# KiCad board vme-wren.kicad_pcb (continued)
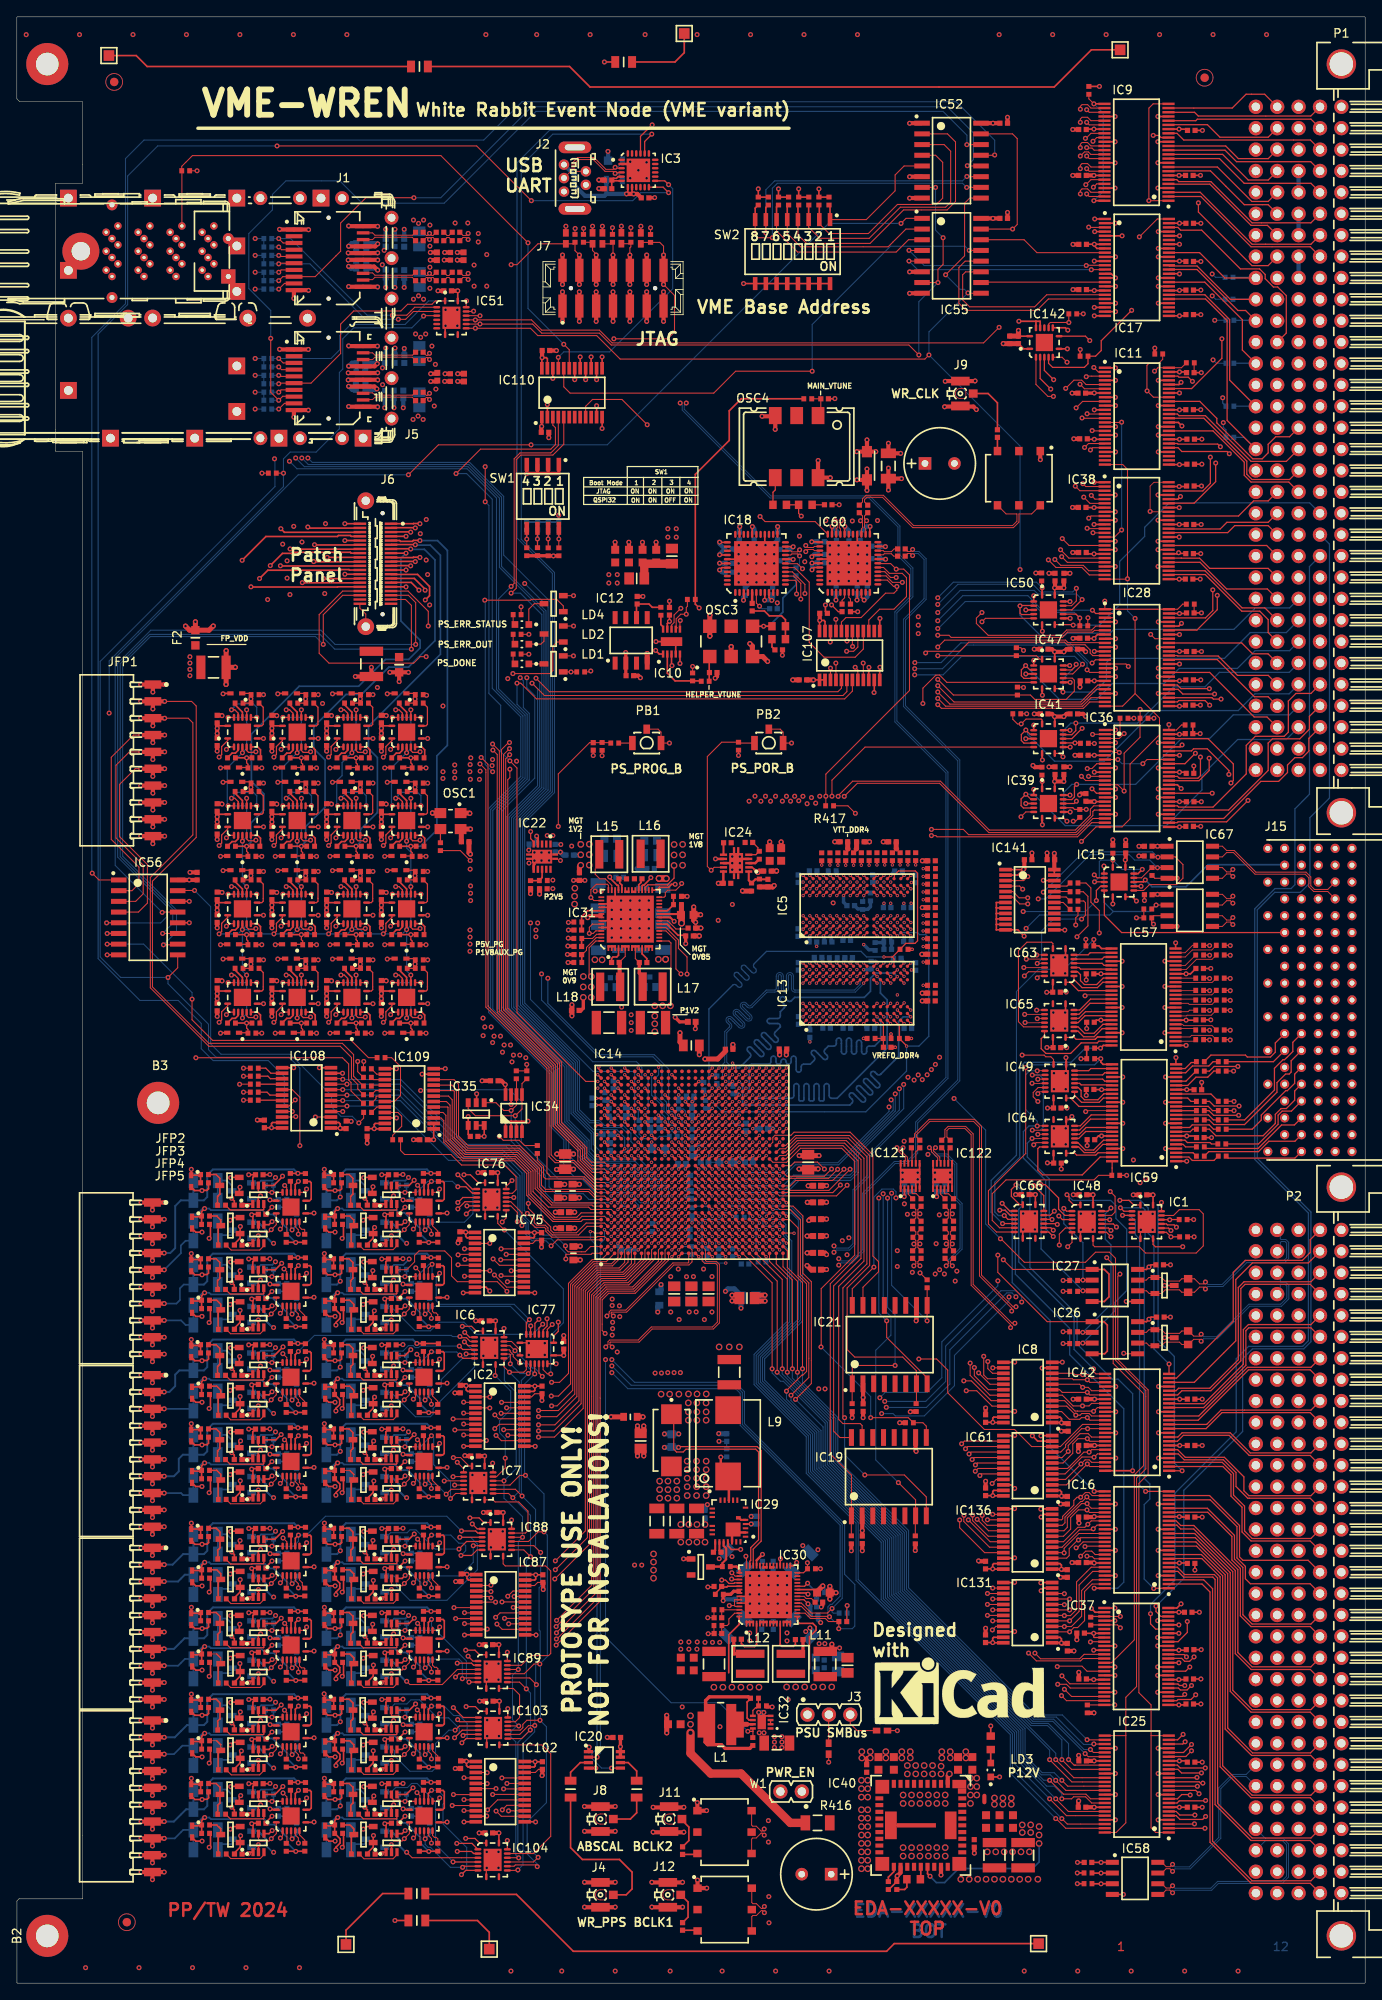
[diagram p0: board, top side]
## Routing (per net, layer and track width the routed paths; a pad name or vN(x,y) marks a point on that pad's centre or on a via; arc(x,y) is an arc through that point) (continued)
/DDR4-PS.DQ5: length 29
  Top Layer w0.15: IC14.AE20 88.98,102.26 ; v1(98.96,119.54) IC13.H8
  L5 w0.11: v1(98.96,119.54) 98.52,119.1 98.01,119.1 97.8,118.89 97.8,118.05 97.38,117.63 95.16,117.63 94.6,117.07 94.6,109.63 arc(94.54,109.48) 94.39,109.42 94.27,109.42 arc(94.13,109.35) 94.06,109.21 arc(94.13,109.06) 94.27,109 94.82,109 arc(94.97,108.93) 95.03,108.79 arc(94.97,108.64) 94.82,108.58 94.81,108.58 arc(94.66,108.51) 94.6,108.37 94.6,108.14 94.27,107.81 arc(94.12,107.75) 93.97,107.81 93.92,107.86 arc(93.78,107.92) 93.63,107.86 arc(93.57,107.71) 93.63,107.56 93.9,107.29 arc(93.93,107.21) 93.9,107.14 93.75,106.99 arc(93.68,106.96) 93.6,106.99 93.33,107.26 arc(93.18,107.33) 93.03,107.26 arc(92.97,107.12) 93.03,106.97 93.08,106.92 arc(93.14,106.77) 93.08,106.62 92.35,105.9 90.52,105.9 90.19,105.57 90.19,105.35 89.92,105.08 89.7,105.08 89.43,104.81 89.43,104.47 89.22,104.26 88.88,104.26 88.63,104.01 88.63,102.62 v1(88.99,102.26)
/DDR4-PS.DQ6: length 29
  Top Layer w0.15: IC14.AH19 91.38,101.46 ; v1(99.76,116.34) IC13.J3
  L5 w0.11: v1(91.39,101.46) 92.19,100.66 96.18,100.66 98.29,102.78 arc(98.34,102.9) 98.29,103.03 arc(98.24,103.15) 98.29,103.28 98.34,103.32 arc(98.46,103.37) 98.59,103.32 98.9,103.02 arc(99.04,102.95) 99.19,103.02 arc(99.25,103.16) 99.19,103.31 98.88,103.62 arc(98.83,103.75) 98.88,103.88 98.93,103.92 arc(99.05,103.97) 99.18,103.92 99.49,103.61 arc(99.64,103.55) 99.79,103.61 arc(99.85,103.76) 99.79,103.91 99.48,104.22 arc(99.43,104.34) 99.48,104.47 99.52,104.51 arc(99.65,104.57) 99.77,104.51 100.08,104.2 arc(100.23,104.14) 100.38,104.2 arc(100.44,104.35) 100.38,104.5 100.07,104.81 arc(100.02,104.93) 100.07,105.06 100.14,105.12 arc(100.26,105.17) 100.39,105.12 arc(100.51,105.07) 100.64,105.12 100.98,105.46 100.98,114.89 100.74,115.12 100.37,115.12 100.15,115.34 100.15,115.95 v1(99.76,116.34)
/DDR4-PS.DQ7: length 28.9
  Top Layer w0.15: IC14.AG19 90.58,101.46 ; v1(99.76,118.74) IC13.J7
  L5 w0.11: v1(90.59,101.46) 91.79,100.26 96.83,100.26 101.42,104.85 101.42,114.84 100.95,115.3 100.95,116.49 99.76,117.68 v1(99.76,118.74)
/DDR4-PS.DQ8: length 29.2
  Top Layer w0.15: IC14.AG24 90.58,105.46 ; v1(93.36,116.34) IC13.A3
  L10 w0.11: v1(93.36,116.34) 93.01,116.69 93.01,117.17 93.38,117.54 93.61,117.54 93.76,117.39 93.76,113.66 95.19,112.23 95.19,112.11 arc(95.25,111.96) 95.4,111.9 95.46,111.9 arc(95.61,111.83) 95.67,111.69 arc(95.61,111.54) 95.46,111.48 94.91,111.48 arc(94.77,111.41) 94.7,111.27 arc(94.77,111.12) 94.91,111.06 95.46,111.06 arc(95.61,110.99) 95.67,110.85 arc(95.61,110.7) 95.46,110.64 94.91,110.64 arc(94.77,110.57) 94.7,110.43 arc(94.77,110.28) 94.91,110.22 95.46,110.22 arc(95.61,110.15) 95.67,110.01 arc(95.61,109.86) 95.46,109.8 94.91,109.8 arc(94.77,109.73) 94.7,109.59 arc(94.77,109.44) 94.91,109.38 95.46,109.38 arc(95.61,109.31) 95.67,109.17 arc(95.61,109.02) 95.46,108.96 94.91,108.96 arc(94.77,108.89) 94.7,108.75 arc(94.77,108.6) 94.91,108.54 95.46,108.54 arc(95.61,108.47) 95.67,108.33 arc(95.61,108.18) 95.46,108.12 94.91,108.12 arc(94.77,108.05) 94.7,107.91 arc(94.77,107.76) 94.91,107.7 95.46,107.7 arc(95.61,107.63) 95.67,107.49 arc(95.61,107.34) 95.46,107.28 94.91,107.28 arc(94.77,107.21) 94.7,107.07 arc(94.77,106.92) 94.91,106.86 94.98,106.86 arc(95.12,106.79) 95.19,106.65 95.19,106.31 93.94,105.06 90.99,105.06 v1(90.59,105.46)
/DDR4-PS.DQ9: length 29.2
  Top Layer w0.15: v1(94.16,119.54) IC13.B8 ; IC14.AE24 88.98,105.46
  L10 w0.11: v1(94.16,119.54) 93.76,119.94 92.35,119.94 90.5,118.09 arc(90.44,117.94) 90.5,117.79 90.61,117.68 arc(90.67,117.53) 90.61,117.38 arc(90.46,117.32) 90.31,117.38 89.8,117.9 arc(89.65,117.96) 89.5,117.9 arc(89.44,117.75) 89.5,117.6 89.61,117.49 arc(89.67,117.35) 89.61,117.2 89.36,116.95 89.36,116.48 arc(89.42,116.33) 89.57,116.27 89.73,116.27 arc(89.87,116.21) 89.94,116.06 arc(89.87,115.91) 89.73,115.85 89.1,115.85 arc(88.95,115.79) 88.89,115.64 arc(88.95,115.49) 89.1,115.43 89.73,115.43 arc(89.87,115.37) 89.94,115.22 arc(89.87,115.07) 89.73,115.01 89.1,115.01 arc(88.95,114.95) 88.89,114.8 arc(88.95,114.65) 89.1,114.59 89.73,114.59 arc(89.87,114.53) 89.94,114.38 arc(89.87,114.23) 89.73,114.17 89.1,114.17 arc(88.95,114.11) 88.89,113.96 arc(88.95,113.81) 89.1,113.75 89.73,113.75 arc(89.87,113.69) 89.94,113.54 arc(89.87,113.39) 89.73,113.33 89.1,113.33 arc(88.95,113.27) 88.89,113.12 arc(88.95,112.97) 89.1,112.91 89.73,112.91 arc(89.87,112.85) 89.94,112.7 arc(89.87,112.55) 89.73,112.49 89.1,112.49 arc(88.95,112.43) 88.89,112.28 arc(88.95,112.13) 89.1,112.07 89.15,112.07 arc(89.3,112.01) 89.36,111.86 89.36,106.12 89.2,105.96 89.2,105.67 v1(88.99,105.46)
/DDR4-PS.DQ10: length 29.2
  Top Layer w0.15: IC14.AF22 89.78,103.86 ; v1(94.96,116.34) IC13.C3
  L10 w0.11: v1(94.96,116.34) 95.36,115.94 97.47,115.94 97.8,115.61 97.8,114.73 97.8,113.46 99.14,112.12 99.14,108.32 arc(99.2,108.19) 99.33,108.14 arc(99.46,108.09) 99.51,107.96 99.51,107.9 arc(99.46,107.77) 99.33,107.72 arc(99.2,107.67) 99.14,107.54 99.14,107.5 arc(99.2,107.37) 99.33,107.32 arc(99.46,107.26) 99.51,107.13 99.51,107.08 arc(99.46,106.95) 99.33,106.9 99.06,106.9 arc(99,106.87) 98.97,106.81 98.97,106.57 arc(99,106.5) 99.06,106.48 99.33,106.48 arc(99.46,106.42) 99.51,106.29 99.51,106.23 arc(99.46,106.1) 99.33,106.04 arc(99.2,105.99) 99.14,105.86 99.14,105.39 98.84,105.08 arc(98.78,104.95) 98.84,104.82 arc(98.89,104.69) 98.84,104.56 98.8,104.52 arc(98.67,104.47) 98.54,104.52 98.08,104.98 arc(97.93,105.05) 97.78,104.98 arc(97.72,104.84) 97.78,104.69 98.24,104.22 arc(98.3,104.09) 98.24,103.96 98.2,103.92 arc(98.06,103.86) 97.93,103.92 arc(97.8,103.97) 97.67,103.92 97.21,103.46 90.19,103.46 v1(89.79,103.86)
/DDR4-PS.DQ11: length 29.7
  Top Layer w0.15: v1(94.96,118.74) IC13.C7 ; IC14.AH23 91.38,104.66
  L10 w0.11: v1(94.96,118.74) 94.96,117.77 94.6,117.4 94.6,113.65 94.75,113.5 arc(94.89,113.45) 95.03,113.5 arc(95.17,113.56) 95.31,113.5 95.33,113.49 arc(95.39,113.35) 95.33,113.2 95.07,112.94 arc(95.02,112.82) 95.07,112.7 95.12,112.65 arc(95.24,112.59) 95.36,112.65 arc(95.49,112.7) 95.61,112.65 96.42,111.83 arc(96.48,111.69) 96.62,111.63 arc(96.76,111.57) 96.82,111.43 96.82,111.41 arc(96.76,111.27) 96.62,111.21 96.22,111.21 arc(96.08,111.15) 96.03,111.01 96.03,110.99 arc(96.08,110.85) 96.22,110.79 96.57,110.79 arc(96.68,110.75) 96.72,110.64 96.72,110.52 arc(96.68,110.41) 96.57,110.37 96.22,110.37 arc(96.08,110.31) 96.03,110.17 96.03,110.15 arc(96.08,110.01) 96.22,109.95 96.62,109.95 arc(96.76,109.89) 96.82,109.75 96.82,109.73 arc(96.76,109.59) 96.62,109.53 96.22,109.53 arc(96.08,109.47) 96.03,109.33 96.03,109.31 arc(96.08,109.17) 96.22,109.11 96.62,109.11 arc(96.76,109.05) 96.82,108.91 96.82,108.89 arc(96.76,108.75) 96.62,108.69 96.22,108.69 arc(96.08,108.63) 96.03,108.49 96.03,108.47 arc(96.08,108.33) 96.22,108.27 96.62,108.27 arc(96.76,108.21) 96.82,108.07 96.82,108.05 arc(96.76,107.91) 96.62,107.85 96.22,107.85 arc(96.08,107.79) 96.03,107.65 96.03,107.63 arc(96.08,107.49) 96.22,107.43 arc(96.36,107.37) 96.42,107.23 96.42,106.67 arc(96.36,106.53) 96.42,106.39 arc(96.48,106.25) 96.42,106.11 96.4,106.09 arc(96.26,106.03) 96.12,106.09 95.84,106.37 arc(95.7,106.43) 95.56,106.37 95.55,106.35 arc(95.49,106.21) 95.55,106.07 95.83,105.79 arc(95.89,105.65) 95.83,105.51 95.81,105.49 arc(95.67,105.44) 95.53,105.49 95.27,105.76 arc(95.14,105.81) 95.02,105.76 94.97,105.7 arc(94.92,105.58) 94.97,105.46 95.23,105.2 arc(95.29,105.06) 95.23,104.92 95.22,104.9 arc(95.08,104.84) 94.94,104.9 arc(94.8,104.96) 94.66,104.9 94.42,104.66 v1(91.39,104.66)
/DDR4-PS.DQ12: length 29.2
  Top Layer w0.15: IC14.AH22 91.38,103.86 ; v1(94.96,114.74) IC13.C2
  L10 w0.11: v1(91.39,103.86) 96.32,103.86 97.36,104.89 arc(97.37,104.94) 97.36,104.98 arc(97.34,105.02) 97.36,105.07 97.57,105.28 arc(97.61,105.29) 97.65,105.28 arc(97.7,105.26) 97.74,105.28 98.38,105.92 arc(98.32,106.07) 98.17,106.13 97.84,106.13 arc(97.69,106.19) 97.63,106.34 arc(97.69,106.49) 97.84,106.55 98.53,106.55 arc(98.63,106.59) 98.67,106.69 98.67,106.82 arc(98.63,106.93) 98.53,106.97 97.89,106.97 arc(97.74,107.03) 97.68,107.18 arc(97.74,107.33) 97.89,107.39 98.63,107.39 arc(98.77,107.45) 98.84,107.6 arc(98.77,107.75) 98.63,107.81 98.33,107.81 arc(98.29,107.82) 98.27,107.86 98.27,108.17 arc(98.29,108.21) 98.33,108.23 98.62,108.23 arc(98.77,108.29) 98.83,108.44 arc(98.77,108.59) 98.62,108.65 98.31,108.65 arc(98.26,108.67) 98.24,108.72 98.24,109 arc(98.26,109.05) 98.31,109.07 98.67,109.07 arc(98.82,109.13) 98.88,109.28 arc(98.82,109.43) 98.67,109.49 98.33,109.49 arc(98.29,109.5) 98.27,109.54 98.27,109.85 arc(98.29,109.89) 98.33,109.91 98.67,109.91 arc(98.82,109.97) 98.88,110.12 arc(98.82,110.27) 98.67,110.33 98.59,110.33 arc(98.44,110.39) 98.38,110.54 arc(98.44,110.69) 98.59,110.75 98.67,110.75 arc(98.82,110.81) 98.88,110.96 arc(98.82,111.11) 98.67,111.17 97.89,111.17 arc(97.74,111.23) 97.68,111.38 arc(97.74,111.53) 97.89,111.59 98.17,111.59 arc(98.32,111.65) 98.38,111.8 98.38,111.88 96.95,113.31 96.95,114.86 96.71,115.1 95.32,115.1 v1(94.96,114.74)
/DDR4-PS.DQ13: length 29.2
  Top Layer w0.15: v1(94.96,119.54) IC13.C8 ; IC14.AH24 91.38,105.46
  L10 w0.11: v1(94.96,119.54) 94.6,119.17 94.6,118.45 94.04,117.9 93.14,117.9 92.65,117.4 92.65,113.88 93.76,112.77 93.76,112.42 arc(93.7,112.27) 93.55,112.21 93.37,112.21 arc(93.22,112.14) 93.16,112 arc(93.22,111.85) 93.37,111.79 93.55,111.79 arc(93.7,111.72) 93.76,111.58 arc(93.7,111.43) 93.55,111.37 93.37,111.37 arc(93.22,111.3) 93.16,111.16 arc(93.22,111.01) 93.37,110.95 94.15,110.95 arc(94.29,110.88) 94.36,110.74 arc(94.29,110.59) 94.15,110.53 93.37,110.53 arc(93.22,110.46) 93.16,110.32 arc(93.22,110.17) 93.37,110.11 94.15,110.11 arc(94.29,110.04) 94.36,109.9 arc(94.29,109.75) 94.15,109.69 93.37,109.69 arc(93.22,109.62) 93.16,109.48 arc(93.22,109.33) 93.37,109.27 94.15,109.27 arc(94.29,109.2) 94.36,109.06 arc(94.29,108.91) 94.15,108.85 93.37,108.85 arc(93.22,108.78) 93.16,108.64 arc(93.22,108.49) 93.37,108.43 94.15,108.43 arc(94.29,108.36) 94.36,108.22 arc(94.29,108.07) 94.15,108.01 93.37,108.01 arc(93.22,107.94) 93.16,107.8 arc(93.22,107.65) 93.37,107.59 93.55,107.59 arc(93.7,107.52) 93.76,107.38 93.76,105.6 93.62,105.46 v1(91.39,105.46)
/DDR4-PS.DQ14: length 28.7
  Top Layer w0.15: IC14.AE22 88.98,103.86 ; v1(95.76,116.34) IC13.D3
  L10 w0.11: v1(95.76,116.34) 96.23,116.81 98.2,116.81 98.52,116.49 98.52,113.54 99.76,112.31 99.76,105.08 97.75,103.06 92.55,103.06 92.19,102.7 89.64,102.7 89.43,102.91 89.43,103.42 v1(88.99,103.86)
/DDR4-PS.DQ15: length 29.2
  Top Layer w0.15: IC14.AD22 88.18,103.86 ; v1(95.76,118.74) IC13.D7
  L10 w0.11: v1(88.19,103.86) 88.59,104.26 88.59,109.24 arc(88.53,109.38) 88.38,109.45 88.22,109.45 arc(88.07,109.51) 88.01,109.66 arc(88.07,109.8) 88.22,109.87 88.91,109.87 arc(89.06,109.93) 89.12,110.08 arc(89.06,110.22) 88.91,110.29 88.27,110.29 arc(88.12,110.35) 88.06,110.5 arc(88.12,110.64) 88.27,110.71 88.86,110.71 arc(89.01,110.77) 89.07,110.92 arc(89.01,111.06) 88.86,111.13 88.27,111.13 arc(88.12,111.19) 88.06,111.34 arc(88.12,111.48) 88.27,111.55 88.38,111.55 arc(88.53,111.61) 88.59,111.76 88.59,117.33 92,120.73 95.19,120.73 95.38,120.54 95.38,119.12 v1(95.76,118.74)
/DDR4-PS.DQ16: length 37.5
  Top Layer w0.15: v1(98.18,125.14) IC5.G2 ; IC14.AH26 91.38,107.06
  L8 w0.11: v1(91.39,107.06) 93.21,107.06 94.9,108.75 94.9,111.86 94.47,112.29 93.66,112.29 92.11,113.84 92.11,116.37 arc(92.04,116.51) 91.9,116.58 91.65,116.58 arc(91.51,116.64) 91.44,116.79 arc(91.51,116.93) 91.65,117 92.76,117 arc(92.9,117.06) 92.97,117.21 arc(92.9,117.35) 92.76,117.42 91.65,117.42 arc(91.51,117.48) 91.44,117.63 arc(91.51,117.77) 91.65,117.84 92.76,117.84 arc(92.9,117.9) 92.97,118.05 arc(92.9,118.19) 92.76,118.26 91.65,118.26 arc(91.51,118.32) 91.44,118.47 arc(91.51,118.61) 91.65,118.68 91.9,118.68 arc(92.04,118.74) 92.11,118.89 92.11,126.01 92.45,126.36 96.75,126.36 96.99,126.11 96.99,125.69 97.14,125.54 97.78,125.54 v1(98.18,125.14)
/DDR4-PS.DQ17: length 37.5
  Top Layer w0.15: IC14.AD24 88.18,105.46 ; v1(97.38,129.14) IC5.F7
  L8 w0.11: v1(88.19,105.46) 88.59,105.86 88.59,114.26 arc(88.53,114.4) 88.38,114.47 88.31,114.47 arc(88.16,114.53) 88.1,114.68 arc(88.16,114.82) 88.31,114.89 88.92,114.89 arc(89.07,114.95) 89.13,115.1 arc(89.07,115.24) 88.92,115.31 88.31,115.31 arc(88.16,115.37) 88.1,115.52 arc(88.16,115.66) 88.31,115.73 88.92,115.73 arc(89.07,115.79) 89.13,115.94 arc(89.07,116.08) 88.92,116.15 88.31,116.15 arc(88.16,116.21) 88.1,116.36 arc(88.16,116.5) 88.31,116.57 88.92,116.57 arc(89.07,116.63) 89.13,116.78 arc(89.07,116.92) 88.92,116.99 88.8,116.99 arc(88.65,117.05) 88.59,117.2 88.59,126.53 91.62,129.56 96.96,129.56 v1(97.38,129.14)
/DDR4-PS.DQ18: length 37.5
  Top Layer w0.15: v1(98.98,126.74) IC5.H3 ; IC14.AG26 90.58,107.06
  L8 w0.11: v1(90.59,107.06) 90.95,106.7 93.92,106.7 95.76,108.55 95.76,112.49 95.34,112.91 94.96,112.91 94.6,113.27 94.6,116.89 arc(94.54,117.04) 94.39,117.1 94.16,117.1 arc(94.01,117.16) 93.95,117.31 arc(94.01,117.46) 94.16,117.52 95.04,117.52 arc(95.19,117.58) 95.25,117.73 arc(95.19,117.88) 95.04,117.94 94.16,117.94 arc(94.01,118) 93.95,118.15 arc(94.01,118.3) 94.16,118.36 94.39,118.36 arc(94.54,118.42) 94.6,118.57 94.6,118.88 arc(94.58,118.92) 94.54,118.94 arc(94.51,118.95) 94.49,118.99 94.49,119.3 arc(94.51,119.34) 94.54,119.36 arc(94.58,119.37) 94.6,119.41 94.6,121.29 arc(94.54,121.44) 94.39,121.5 94.15,121.5 arc(94,121.56) 93.94,121.71 arc(94,121.86) 94.15,121.92 95.05,121.92 arc(95.19,121.98) 95.26,122.13 arc(95.19,122.28) 95.05,122.34 94.15,122.34 arc(94,122.4) 93.94,122.55 arc(94,122.7) 94.15,122.76 94.39,122.76 arc(94.54,122.82) 94.6,122.97 arc(94.54,123.12) 94.39,123.18 94.15,123.18 arc(94,123.24) 93.94,123.39 arc(94,123.54) 94.15,123.6 94.39,123.6 arc(94.54,123.66) 94.6,123.81 94.6,124.6 94.75,124.74 98.39,124.74 98.57,124.93 98.57,126.33 v1(98.98,126.74)
/DDR4-PS.DQ19: length 37.5
  Top Layer w0.15: v1(98.98,129.14) IC5.H7 ; IC14.AC26 87.38,107.06
  L8 w0.11: v1(98.98,129.14) 99.37,129.53 99.37,130.9 99.18,131.1 91.38,131.1 86.99,126.71 86.99,111.97 arc(86.94,111.85) 86.82,111.8 arc(86.71,111.75) 86.66,111.64 86.66,111.55 arc(86.71,111.43) 86.82,111.38 arc(86.94,111.33) 86.99,111.22 86.99,107.46 v1(87.39,107.06)
/DDR4-PS.DQ20: length 37.5
  Top Layer w0.15: IC14.AH25 91.38,106.26 ; v1(98.98,125.14) IC5.H2
  L8 w0.11: v1(91.39,106.26) 94.5,106.26 96.94,108.7 96.94,109.14 arc(97,109.29) 97.15,109.35 97.31,109.35 arc(97.46,109.41) 97.52,109.56 arc(97.46,109.71) 97.31,109.77 96.22,109.77 arc(96.07,109.83) 96.01,109.98 arc(96.07,110.13) 96.22,110.19 97.31,110.19 arc(97.46,110.25) 97.52,110.4 arc(97.46,110.55) 97.31,110.61 96.22,110.61 arc(96.07,110.67) 96.01,110.82 arc(96.07,110.97) 96.22,111.03 97.13,111.03 arc(97.26,111.08) 97.31,111.22 97.31,111.27 arc(97.26,111.4) 97.13,111.45 96.22,111.45 arc(96.07,111.51) 96.01,111.66 arc(96.07,111.81) 96.22,111.87 96.73,111.87 arc(96.88,111.93) 96.94,112.08 arc(96.97,112.14) 97.02,112.16 arc(97.08,112.19) 97.11,112.25 97.11,112.52 arc(97.08,112.58) 97.02,112.6 96.17,112.6 arc(96.02,112.66) 95.96,112.81 arc(96.02,112.96) 96.17,113.02 97.05,113.02 arc(97.13,113.05) 97.16,113.13 97.16,113.33 arc(97.13,113.41) 97.05,113.44 arc(96.97,113.47) 96.94,113.55 96.94,116.56 arc(97,116.7) 97.15,116.77 97.31,116.77 arc(97.46,116.83) 97.52,116.98 arc(97.46,117.12) 97.31,117.19 96.17,117.19 arc(96.02,117.25) 95.96,117.4 arc(96.02,117.54) 96.17,117.61 96.73,117.61 arc(96.88,117.67) 96.94,117.82 96.94,121.72 99.37,124.15 99.37,124.74 v1(98.98,125.14)
/DDR4-PS.DQ21: length 37.5
  Top Layer w0.15: v1(98.98,129.94) IC5.H8 ; IC14.AD26 88.18,107.06
  L8 w0.11: v1(98.98,129.94) 98.57,130.34 91.37,130.34 87.83,126.8 87.83,112.77 arc(87.78,112.65) 87.66,112.6 arc(87.53,112.55) 87.48,112.42 87.48,112.35 arc(87.53,112.23) 87.66,112.18 88.01,112.18 arc(88.13,112.12) 88.18,112 88.18,111.93 arc(88.13,111.81) 88.01,111.76 87.65,111.76 arc(87.53,111.7) 87.48,111.58 87.48,111.51 arc(87.53,111.39) 87.65,111.34 88.01,111.34 arc(88.13,111.28) 88.18,111.16 88.18,111.09 arc(88.13,110.97) 88.01,110.92 87.65,110.92 arc(87.53,110.86) 87.48,110.74 87.48,110.67 arc(87.53,110.55) 87.65,110.5 88.01,110.5 arc(88.13,110.44) 88.18,110.32 88.18,110.25 arc(88.13,110.13) 88.01,110.08 87.66,110.08 arc(87.53,110.03) 87.48,109.9 87.48,109.8 arc(87.53,109.68) 87.66,109.63 arc(87.78,109.58) 87.83,109.46 87.83,108.81 87.83,108.81 87.83,107.42 v1(88.19,107.06)
/DDR4-PS.DQ22: length 37.5
  Top Layer w0.15: IC14.AG25 90.58,106.26 ; v1(99.78,126.74) IC5.J3
  L8 w0.11: v1(90.59,106.26) 90.99,105.86 95.68,105.86 97.78,107.96 97.78,109.79 arc(97.84,109.93) 97.99,110 98.47,110 arc(98.62,110.06) 98.68,110.21 arc(98.62,110.35) 98.47,110.42 97.99,110.42 arc(97.84,110.48) 97.78,110.63 97.78,110.82 arc(97.76,110.87) 97.7,110.9 arc(97.65,110.92) 97.62,110.97 97.62,111.24 arc(97.65,111.29) 97.7,111.32 98.47,111.32 arc(98.62,111.38) 98.68,111.53 arc(98.62,111.67) 98.47,111.74 97.49,111.74 arc(97.34,111.8) 97.28,111.95 arc(97.34,112.09) 97.49,112.16 98.47,112.16 arc(98.62,112.22) 98.68,112.37 arc(98.62,112.51) 98.47,112.58 97.49,112.58 arc(97.34,112.64) 97.28,112.79 arc(97.34,112.93) 97.49,113 98.47,113 arc(98.62,113.06) 98.68,113.21 arc(98.62,113.35) 98.47,113.42 97.99,113.42 arc(97.84,113.48) 97.78,113.63 97.78,121.66 98.96,122.84 99.24,122.84 100.16,123.75 100.16,126.36 v1(99.78,126.74)
/DDR4-PS.DQ23: length 37.5
  Top Layer w0.15: IC14.AD25 88.18,106.26 ; v1(99.78,129.14) IC5.J7
  L8 w0.11: v1(88.19,106.26) 87.83,105.9 87.83,105.31 88.04,105.1 96.11,105.1 99.55,108.54 99.55,109.31 arc(99.59,109.39) 99.68,109.43 arc(99.77,109.47) 99.8,109.56 99.8,109.73 arc(99.77,109.81) 99.68,109.85 arc(99.59,109.89) 99.55,109.98 99.55,112.53 100.16,113.14 100.16,117.47 101.09,118.39 101.09,127.83 v1(99.78,129.14)
/DDR4-PS.DQ24: length 30.9
  Top Layer w0.115: IC14.AD28 88.18,108.66
  Top Layer w0.15: v1(93.38,126.74) IC5.A3
  L5 w0.11: v1(88.19,108.66) 88.19,119.24 arc(88.25,119.39) 88.4,119.45 88.68,119.45 arc(88.83,119.51) 88.89,119.66 arc(88.83,119.81) 88.68,119.87 88.4,119.87 arc(88.25,119.93) 88.19,120.08 88.19,120.3 arc(88.22,120.37) 88.29,120.4 arc(88.36,120.43) 88.39,120.5 88.39,120.72 arc(88.36,120.79) 88.29,120.82 arc(88.22,120.85) 88.19,120.92 88.19,121.14 arc(88.22,121.21) 88.29,121.24 arc(88.36,121.27) 88.39,121.34 88.39,121.56 arc(88.36,121.63) 88.29,121.66 arc(88.22,121.69) 88.19,121.76 88.19,121.98 arc(88.22,122.05) 88.29,122.08 arc(88.36,122.11) 88.39,122.18 88.39,122.4 arc(88.36,122.47) 88.29,122.5 arc(88.22,122.53) 88.19,122.6 88.19,122.82 arc(88.22,122.89) 88.29,122.92 arc(88.36,122.95) 88.39,123.02 88.39,123.24 arc(88.36,123.31) 88.29,123.34 arc(88.22,123.37) 88.19,123.44 88.19,123.91 88.35,124.07 arc(88.5,124.14) 88.65,124.07 88.88,123.84 arc(89.03,123.78) 89.18,123.84 arc(89.24,123.99) 89.18,124.14 88.95,124.37 arc(88.89,124.52) 88.95,124.67 arc(89.1,124.73) 89.24,124.67 89.48,124.43 arc(89.63,124.37) 89.78,124.43 arc(89.84,124.58) 89.78,124.73 89.25,125.25 arc(89.19,125.4) 89.25,125.54 89.27,125.55 arc(89.41,125.61) 89.55,125.55 90.07,125.03 arc(90.22,124.97) 90.37,125.03 arc(90.43,125.18) 90.37,125.33 89.85,125.85 arc(89.79,125.99) 89.85,126.13 89.86,126.15 arc(90,126.2) 90.14,126.15 90.67,125.62 arc(90.81,125.56) 90.96,125.62 arc(91.02,125.77) 90.96,125.92 90.73,126.15 arc(90.67,126.3) 90.73,126.45 91.02,126.74 v1(93.38,126.74)
/DDR4-PS.DQ25: length 32.7
  Top Layer w0.15: IC14.AC28 87.38,108.66 ; v1(94.18,129.94) IC5.B8
  L5 w0.11: v1(87.39,108.66) 87.39,108.69 87.2,108.87 87.2,124.64 90.14,127.57 93.91,127.57 94.6,128.26 94.6,131.9 94.45,132.05 94,132.05 93.82,131.86 93.82,130.59 94.03,130.37 94.13,130.28 94.13,129.99 v1(94.18,129.94)
/DDR4-PS.DQ26: length 32.7
  Top Layer w0.15: v1(94.98,126.74) IC5.C3 ; IC14.AD27 88.18,107.86
  L5 w0.11: v1(94.98,126.74) 94.97,126.72 94.6,126.72 94.54,126.67 94.54,126.59 94.29,126.34 91.98,126.34 89.14,123.5 89.14,119.47 arc(89.19,119.34) 89.31,119.29 arc(89.43,119.24) 89.48,119.12 89.48,119.02 arc(89.43,118.9) 89.31,118.85 88.69,118.85 arc(88.54,118.78) 88.48,118.64 arc(88.54,118.49) 88.69,118.43 89.32,118.43 arc(89.44,118.37) 89.49,118.25 89.49,118.18 arc(89.44,118.06) 89.32,118.01 88.69,118.01 arc(88.54,117.94) 88.48,117.8 arc(88.54,117.65) 88.69,117.59 89.32,117.59 arc(89.44,117.53) 89.49,117.41 89.49,117.34 arc(89.44,117.22) 89.32,117.17 88.69,117.17 arc(88.54,117.1) 88.48,116.96 arc(88.54,116.81) 88.69,116.75 89.32,116.75 arc(89.44,116.69) 89.49,116.57 89.49,116.5 arc(89.44,116.38) 89.32,116.33 88.69,116.33 arc(88.54,116.26) 88.48,116.12 arc(88.54,115.97) 88.69,115.91 89.32,115.91 arc(89.44,115.85) 89.49,115.73 89.49,115.66 arc(89.44,115.54) 89.32,115.49 88.69,115.49 arc(88.54,115.42) 88.48,115.28 arc(88.54,115.13) 88.69,115.07 88.93,115.07 arc(89.08,115) 89.14,114.86 89.14,109.94 88.59,109.39 88.59,108.26 v1(88.19,107.86)
/DDR4-PS.DQ27: length 33.5
  Top Layer w0.115: IC14.AC27 87.38,107.86
  Top Layer w0.15: v1(94.98,129.14) IC5.C7
  L5 w0.11: v1(94.98,129.14) 94.98,127.78 94.43,127.23 93.32,127.23 arc(93.27,127.21) 93.25,127.16 arc(93.22,127.11) 93.17,127.08 92.9,127.08 arc(92.85,127.11) 92.83,127.16 arc(92.8,127.21) 92.75,127.23 92.58,127.23 arc(92.49,127.2) 92.46,127.11 arc(92.42,127.02) 92.33,126.98 92.16,126.98 arc(92.07,127.02) 92.04,127.11 arc(92,127.2) 91.91,127.23 91.74,127.23 arc(91.65,127.2) 91.62,127.11 arc(91.58,127.02) 91.49,126.98 91.32,126.98 arc(91.23,127.02) 91.2,127.11 arc(91.16,127.2) 91.07,127.23 90.6,127.23 90.45,127.09 arc(90.39,126.94) 90.45,126.8 arc(90.51,126.66) 90.45,126.52 90.44,126.51 arc(90.3,126.45) 90.15,126.51 89.91,126.75 arc(89.8,126.8) 89.69,126.75 89.61,126.67 arc(89.57,126.56) 89.61,126.46 arc(89.65,126.35) 89.61,126.24 89.53,126.16 arc(89.42,126.12) 89.31,126.16 arc(89.21,126.2) 89.1,126.16 89.02,126.07 arc(88.97,125.97) 89.02,125.86 arc(89.06,125.76) 89.02,125.65 88.93,125.56 arc(88.83,125.52) 88.72,125.56 arc(88.61,125.61) 88.51,125.56 88.42,125.48 arc(88.38,125.37) 88.42,125.27 88.67,125.02 arc(88.73,124.88) 88.67,124.74 88.66,124.72 arc(88.51,124.66) 88.37,124.72 88.13,124.97 arc(88.02,125.01) 87.91,124.97 87.83,124.89 arc(87.78,124.78) 87.83,124.67 arc(87.87,124.57) 87.83,124.46 87.83,123.78 arc(87.77,123.63) 87.63,123.58 arc(87.49,123.52) 87.43,123.38 87.43,123.36 arc(87.49,123.21) 87.63,123.16 arc(87.77,123.1) 87.83,122.96 87.83,122.94 arc(87.77,122.79) 87.63,122.74 arc(87.49,122.68) 87.43,122.54 87.43,122.52 arc(87.49,122.37) 87.63,122.32 arc(87.77,122.26) 87.83,122.12 87.83,122.1 arc(87.77,121.95) 87.63,121.9 arc(87.49,121.84) 87.43,121.7 87.43,121.68 arc(87.49,121.53) 87.63,121.48 arc(87.77,121.42) 87.83,121.28 87.83,121.26 arc(87.77,121.11) 87.63,121.06 arc(87.49,121) 87.43,120.86 87.43,120.84 arc(87.49,120.69) 87.63,120.64 arc(87.77,120.58) 87.83,120.44 87.83,120.42 arc(87.77,120.27) 87.63,120.22 arc(87.49,120.16) 87.43,120.02 87.43,120 arc(87.49,119.85) 87.63,119.8 arc(87.77,119.74) 87.83,119.6 87.83,108.3 v1(87.39,107.86)
/DDR4-PS.DQ28: length 32.7
  Top Layer w0.15: IC14.AG28 90.58,108.66 ; v1(94.98,125.14) IC5.C2
  L5 w0.11: v1(90.59,108.66) 90.6,108.67 90.6,109.3 90.09,109.81 90.09,110.75 90.6,111.26 90.6,111.98 arc(90.54,112.12) 90.39,112.19 90.25,112.19 arc(90.1,112.25) 90.04,112.4 arc(90.1,112.54) 90.25,112.61 91.35,112.61 arc(91.5,112.67) 91.56,112.82 arc(91.5,112.96) 91.35,113.03 90.25,113.03 arc(90.1,113.09) 90.04,113.24 arc(90.1,113.38) 90.25,113.45 91.05,113.45 arc(91.2,113.51) 91.26,113.66 arc(91.2,113.8) 91.05,113.87 90.25,113.87 arc(90.1,113.93) 90.04,114.08 arc(90.1,114.22) 90.25,114.29 91.05,114.29 arc(91.2,114.35) 91.26,114.5 arc(91.2,114.64) 91.05,114.71 90.25,114.71 arc(90.1,114.77) 90.04,114.92 arc(90.1,115.06) 90.25,115.13 91.05,115.13 arc(91.2,115.19) 91.26,115.34 arc(91.2,115.48) 91.05,115.55 90.25,115.55 arc(90.1,115.61) 90.04,115.76 arc(90.1,115.9) 90.25,115.97 91.05,115.97 arc(91.2,116.03) 91.26,116.18 arc(91.2,116.32) 91.05,116.39 90.25,116.39 arc(90.1,116.45) 90.04,116.6 arc(90.1,116.74) 90.25,116.81 90.39,116.81 arc(90.54,116.87) 90.6,117.02 90.6,122.68 92.66,124.74 94.58,124.74 v1(94.98,125.14)
/DDR4-PS.DQ29: length 32.7
  Top Layer w0.15: IC14.AF28 89.78,108.66 ; v1(94.98,129.94) IC5.C8
  L5 w0.11: v1(94.98,129.94) 95.36,129.56 95.36,126.6 95.1,126.34 94.87,126.34 94.62,126.09 94.62,125.73 94.43,125.55 92.36,125.55 92.2,125.38 arc(92.05,125.32) 91.9,125.38 91.77,125.51 arc(91.63,125.57) 91.48,125.51 arc(91.42,125.36) 91.48,125.21 91.99,124.7 arc(92.05,124.55) 91.99,124.4 arc(91.84,124.34) 91.7,124.4 91.18,124.91 arc(91.03,124.98) 90.88,124.91 arc(90.82,124.77) 90.88,124.62 91.4,124.1 arc(91.46,123.95) 91.4,123.8 arc(91.25,123.74) 91.1,123.8 90.74,124.17 arc(90.61,124.22) 90.49,124.17 90.44,124.12 arc(90.39,123.99) 90.44,123.87 arc(90.49,123.75) 90.44,123.62 90.39,123.57 arc(90.24,123.51) 90.09,123.57 89.97,123.7 arc(89.82,123.76) 89.67,123.7 arc(89.61,123.55) 89.67,123.4 89.8,123.28 arc(89.86,123.13) 89.8,122.98 89.79,122.97 89.79,122.03 arc(89.73,121.89) 89.59,121.83 arc(89.45,121.78) 89.39,121.63 89.39,121.61 arc(89.45,121.47) 89.59,121.41 90.13,121.41 arc(90.28,121.35) 90.34,121.2 arc(90.28,121.06) 90.13,120.99 90,120.99 arc(89.85,120.93) 89.79,120.78 v1(89.79,108.66)